# Altium PCB ASP-0.PcbDoc (part 1 of 4)
Units mm, origin at the board's own origin, x right, y up, seen from the top; angles counter-clockwise.
Board outline 200 x 170 mm, 2 copper layers (Top Layer, Bottom Layer); 290 components, 293 nets, 1338 pads, 464 vias.
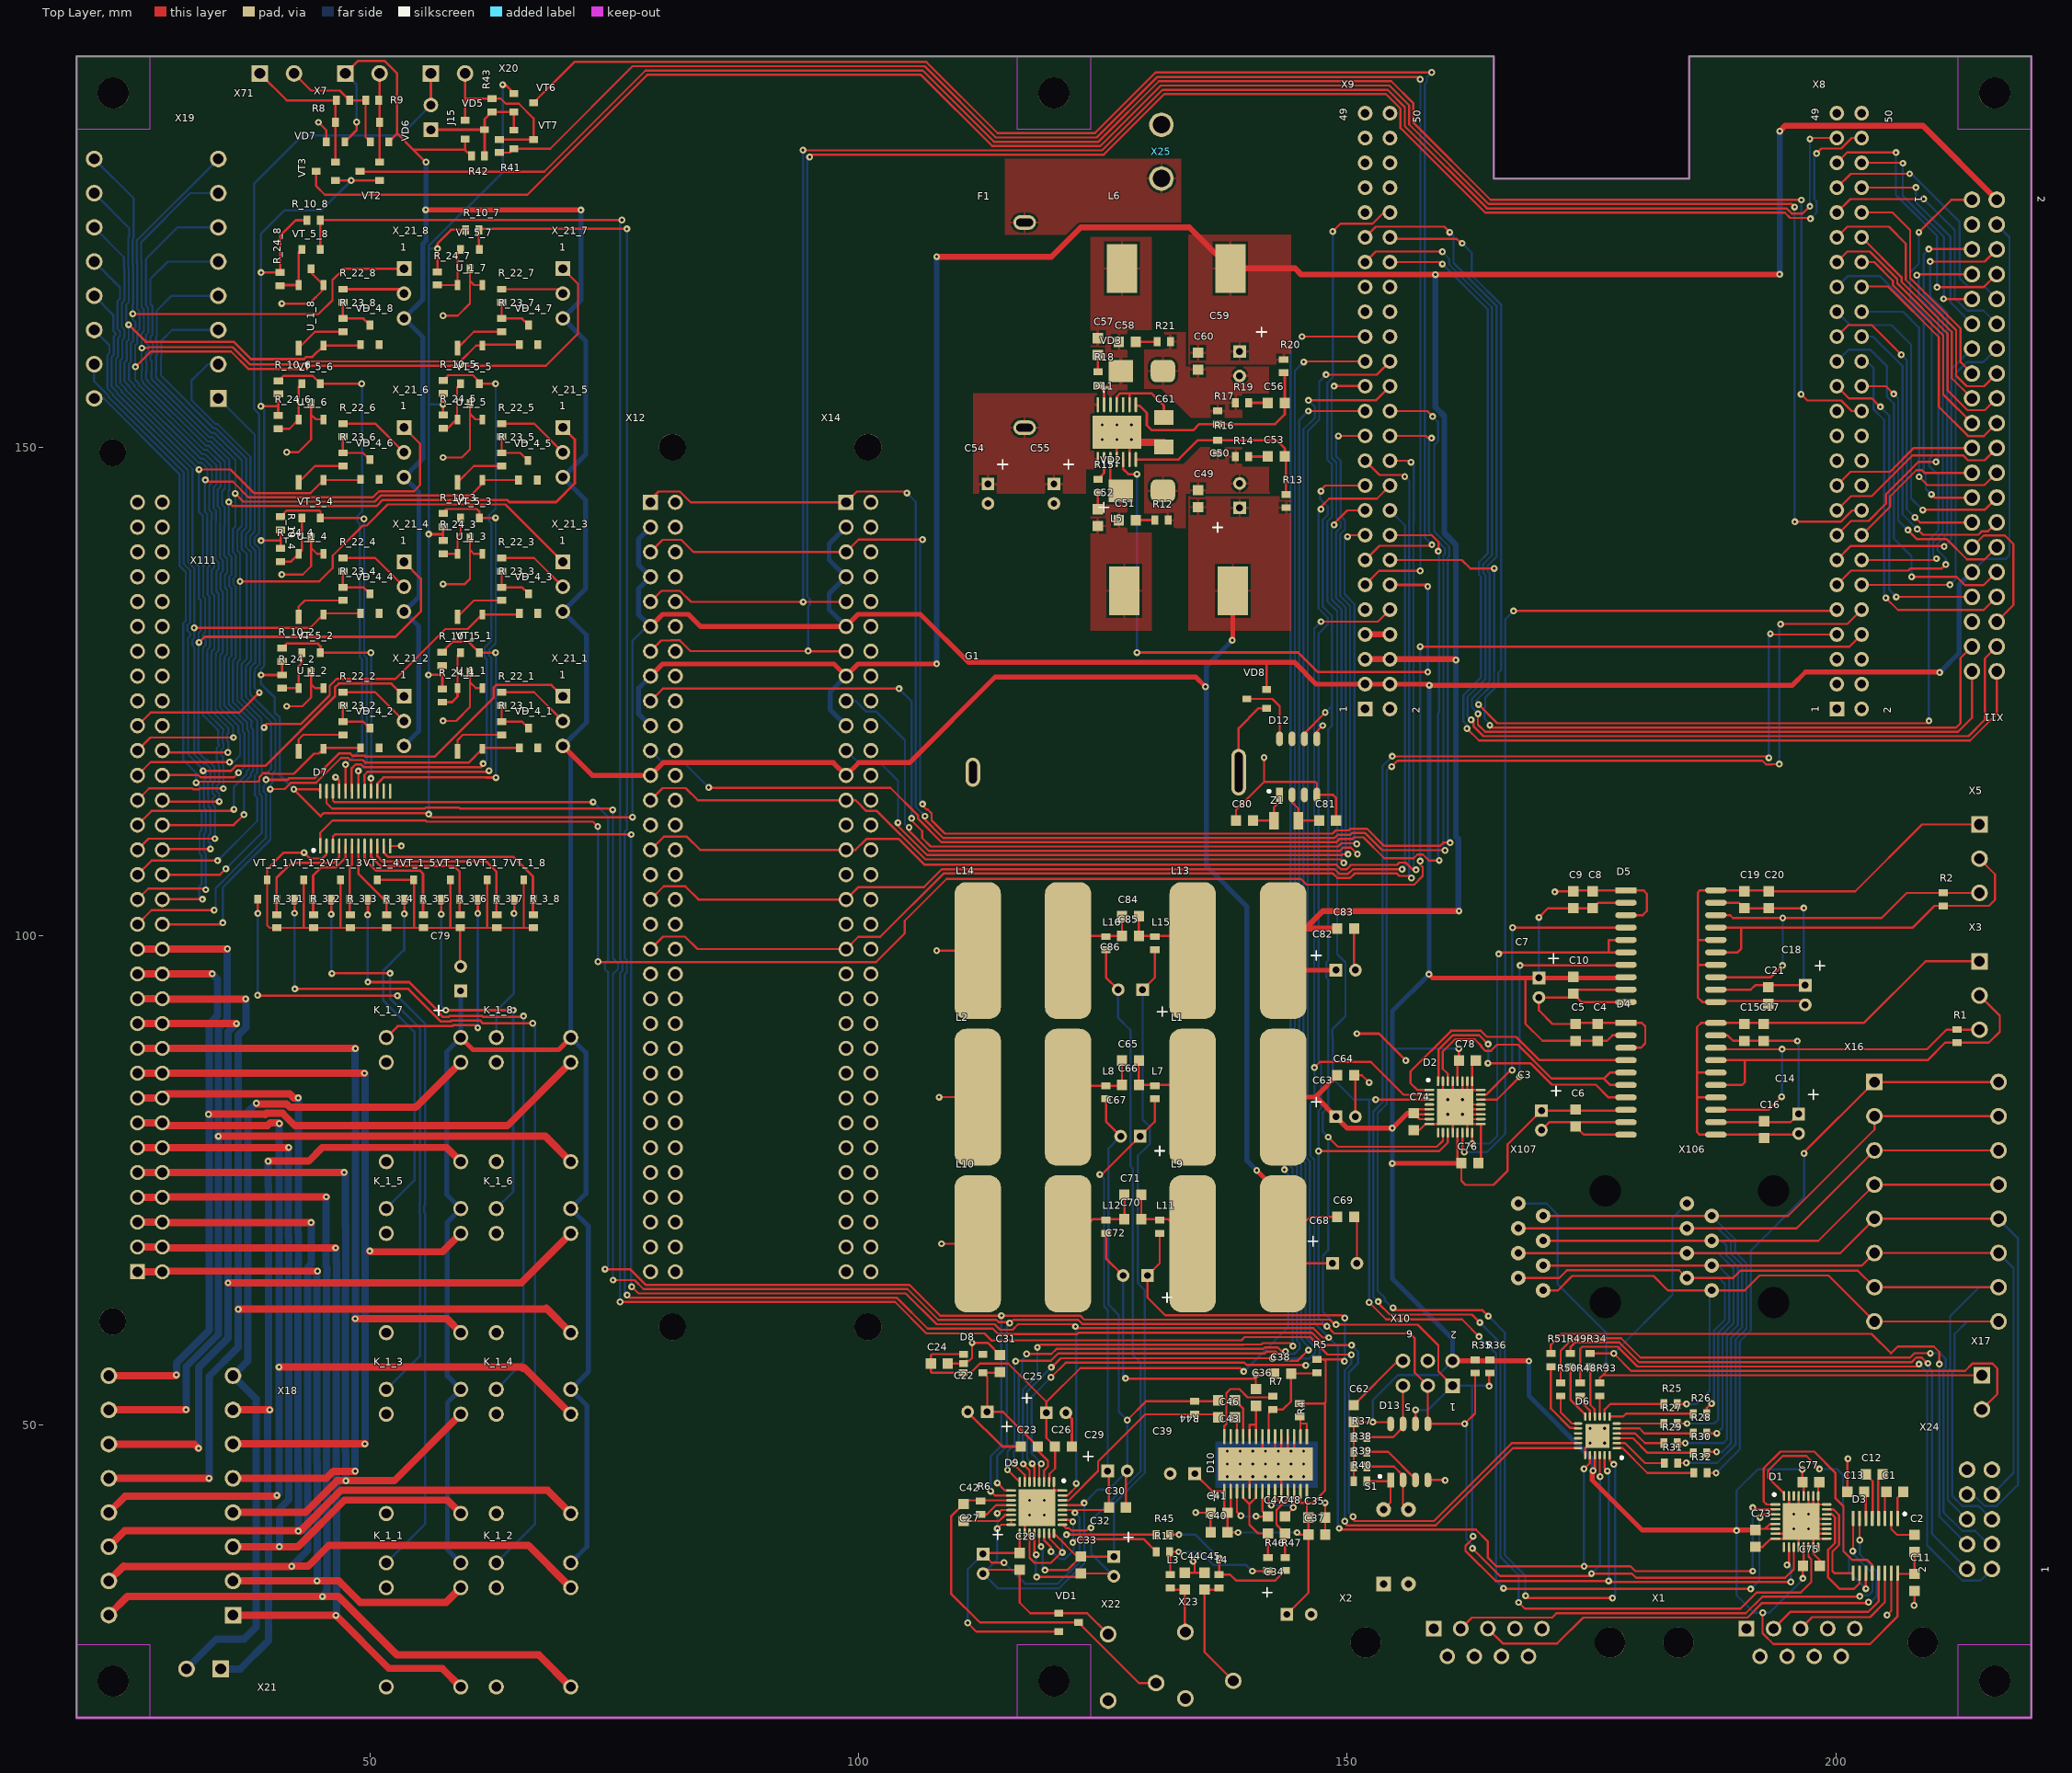
[diagram p0: Top Layer view]
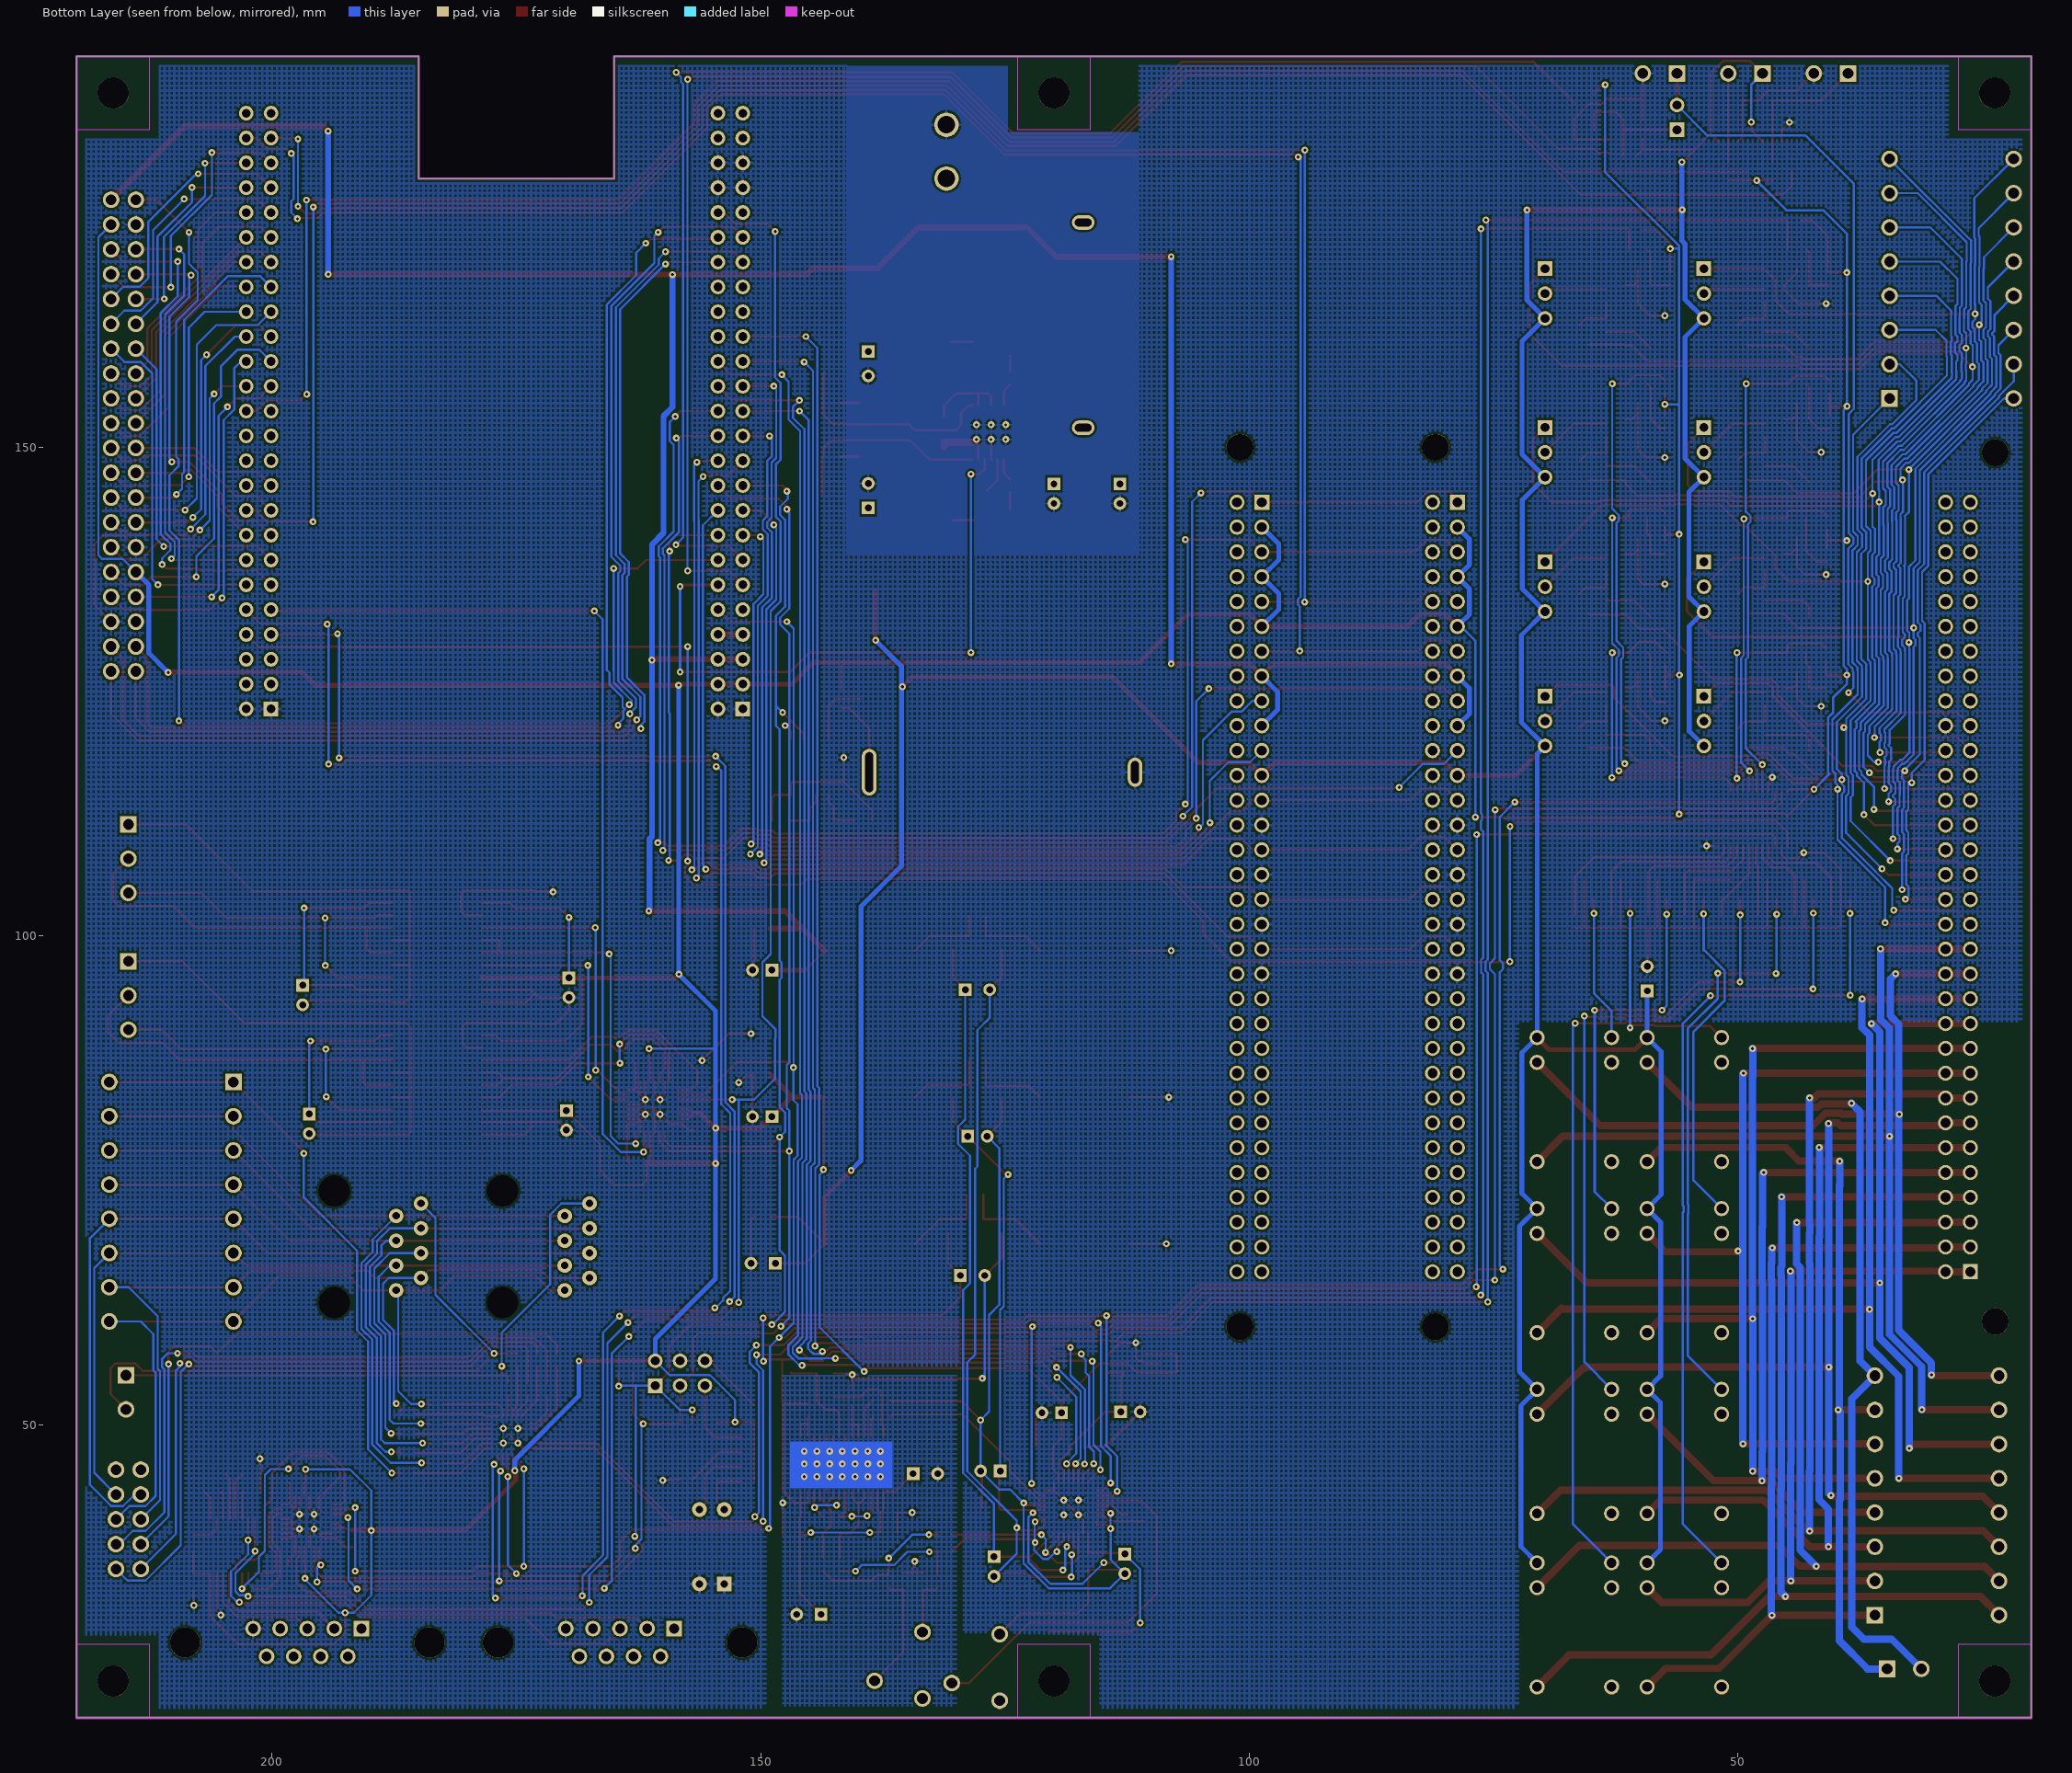
[diagram p1: Bottom Layer view, seen from below]

## Layer stack, top to bottom
Top Solder: solder mask 0.0102, Solder Resist, Dk 3.5
Top Layer: signal copper 0.0356
Dielectric 1: dielectric 0.32, FR-4, Dk 4.8
Bottom Layer: signal copper 0.0356
Bottom Solder: solder mask 0.0102, Solder Resist, Dk 3.5

## Board outline
20,20 20,190 165,190 165,177.5 185,177.5 185,190 220,190 220,20

## Design rules (kind name [scope] priority, off if disabled: settings)
Clearance [All] p1: gap=0.22
HoleSize [All] p1: absolutevalues=TRUE maxlimit=5 minlimit=0.3 maxpercent=80.000 minpercent=20.000
HoleToHoleClearance [All] p1: gap=0.25 allowstackedmicrovias=TRUE
MinimumSolderMaskSliver [All] p1: minsoldermaskwidth=0.2
PolygonConnect [All] p1: connectstyle=Relief reliefconductorwidth=0.254 reliefentries=4 polygonreliefangle="90 Angle" airgapwidth=0.254
RoutingVias [All] p1: holewidth=0.3 width=0.7 viastyle="Through Hole" minholewidth=0.3 minwidth=0.7 maxholewidth=1.6 maxwidth=2.4
SilkToSilkClearance [All] p1: silktosilkclearance=0.15
SilkToSolderMaskClearance [IsPad] p1: minsilkscreentomaskgap=0.15 clearancetoexposedcopper=TRUE
SolderMaskExpansion [All] p1: expansion=0.075
Width [All] p1: maxlimit=3 minlimit=0.22 preferedwidth=0.22
25 further rules are at their usual default settings.

## Classes and differential pairs
channel class Sensor: S1 S2 S3 S4 S5 S6 S7 S8
channel class Relay: RL1 RL2 RL3 RL4 RL5 RL6 RL7 RL8 RL9 RL10
component class "Serial buses": C1 C2 C3 C4 C5 C6 C7 C8 C9 C10 C11 C12 C13 C14 C15 C16 C17 C18 C19 C20 C21 C73 C74 C75 C76 C77 C78 D1 D2 D3 D4 D5 R1 R2 R8 R9 VD6 VD7 VT2 VT3 X1 X2 X3 X5 X7 X71
component class S8: R_10_8 R_22_8 R_23_8 R_24_8 U_1_8 VD_4_8 VT_5_8 X_21_8
component class S7: R_10_7 R_22_7 R_23_7 R_24_7 U_1_7 VD_4_7 VT_5_7 X_21_7
component class S6: R_10_6 R_22_6 R_23_6 R_24_6 U_1_6 VD_4_6 VT_5_6 X_21_6
component class S5: R_10_5 R_22_5 R_23_5 R_24_5 U_1_5 VD_4_5 VT_5_5 X_21_5
component class S4: R_10_4 R_22_4 R_23_4 R_24_4 U_1_4 VD_4_4 VT_5_4 X_21_4
component class S3: R_10_3 R_22_3 R_23_3 R_24_3 U_1_3 VD_4_3 VT_5_3 X_21_3
component class S2: R_10_2 R_22_2 R_23_2 R_24_2 U_1_2 VD_4_2 VT_5_2 X_21_2
component class S1: R_10_1 R_22_1 R_23_1 R_24_1 U_1_1 VD_4_1 VT_5_1 X_21_1
component class RTC: C80 C81 D12 G1 VD8 Z1
component class RL8: K_1_8 R_3_8 VT_1_8
component class RL7: K_1_7 R_3_7 VT_1_7
component class RL6: K_1_6 R_3_6 VT_1_6
component class RL5: K_1_5 R_3_5 VT_1_5
component class RL4: K_1_4 R_3_4 VT_1_4
component class RL3: K_1_3 R_3_3 VT_1_3
component class RL2: K_1_2 R_3_2 VT_1_2
component class RL1: K_1_1 R_3_1 VT_1_1
component class Power: C49 C50 C51 C52 C53 C54 C55 C56 C57 C58 C59 C60 C61 D11 F1 L5 L6 R12 R13 R14 R15 R16 R17 R18 R19 R20 R21 VD2 VD3 X25
component class IO: C79 D6 D7 J15 R25 R26 R27 R28 R29 R30 R31 R32 R33 R34 R41 R42 R43 R48 R49 R50 R51 VD5 VT6 VT7 X16 X17 X18 X19 X20 X21 X24 X106 X107 X111
component class decoupling: C63 C64 C65 C66 C67 C68 C69 C70 C71 C72 C82 C83 C84 C85 C86 L1 L2 L7 L8 L9 L10 L11 L12 L13 L14 L15 L16
component class BBB: C62 D13 R35 R36 R37 R38 R39 R40 S1 X8 X9 X10 X11 X12 X14
component class Audio: C22 C23 C24 C25 C26 C27 C28 C29 C30 C31 C32 C33 C34 C35 C36 C37 C38 C39 C40 C41 C42 C43 C44 C45 C46 C47 C48 D8 D9 D10 L3 L4 R4 R5 R6 R7 R11 R44 R45 R46 R47 VD1 X22 X23

## Components (designator, comment, footprint, x,y, rotation, side; value= is the part's Value field where it differs from the comment)
C1 "0.1μ" C0603 206.05,43.1 r180 top
C2 "0.1μ" C0603 208.05,37.85 r270 top
C3 "10μF" RAD-2-5-11 169.875,81.127 r180 top
C4 "0.01μ" C0603 175.625,90.127 r90 top
C5 "0.1μ" C0603 173.375,90.127 r90 top
C6 "0.1μ" C0603 173.375,81.377 r270 top
C7 "10μF" RAD-2-5-11 169.625,94.702 r180 top
C8 "0.01μ" C0603 175.125,103.702 r90 top
C9 "0.1μ" C0603 173.125,103.702 r90 top
C10 "0.1μ" C0603 173.125,94.952 r270 top
C11 "0.1μ" C0603 208.05,33.85 r90 top
C12 "0.1μ" C0603 203.925,44.9 r180 top
C13 "0.1μ" C0603 202.05,43.1 r0 top
C14 "10μF" RAD-2-5-11 196.2,80.775 r180 top
C15 "0.01μ" C0603 190.625,90.127 r270 top
C16 "0.1μ" C0603 192.65,80.175 r90 top
C17 "0.1μ" C0603 192.625,90.127 r270 top
C18 "10μF" RAD-2-5-11 196.875,93.952 r180 top
C19 "0.1μ" C0603 190.625,103.702 r270 top
C20 "0.1μ" C0603 193.125,103.701 r270 top
C21 "0.1μ" C0603 193.1,93.9 r90 top
C22 "22μF" RAD-2-5-11 112.175,51.3 r90 top
C23 "0.1μ" C0603 117.475,47.75 r0 top
C24 "1μF" C0603 108.275,56.25 r180 top
C25 "22μF" RAD-2-5-11 120.225,51.2 r270 top
C26 "0.1μ" C0603 120.975,47.75 r180 top
C27 "22μF" RAD-2-5-11 112.75,35.75 r180 top
C28 "0.1μ" C0603 116.5,36 r90 top
C29 "22μF" RAD-2-5-11 126.5,45.25 r270 top
C30 "0.1μ" C0603 126.5,41.5 r180 top
C31 "1μF" C0603 114.475,56.25 r270 top
C32 "22μF" RAD-2-5-11 126.125,35.475 r180 top
C33 "0.1μ" C0603 122.75,35.625 r90 top
C34 "100μF" RAD-2.5-6.3-11 145.075,30.575 r270 top
C35 "0.1μ" C0603 146.9,40.475 r180 top
C36 "1μF" C0603 140.675,52.775 r270 top
C37 "1000p" C0603 146.9,38.725 r180 top
C38 "1μF" C0603 143.4,55.225 r0 top
C39 "100μF" RAD-2.5-6.3-11 133.15,44.975 r90 top
C40 "0.1μ" C0603 136.9,38.975 r0 top
C41 "1000p" C0603 136.9,40.975 r0 top
C42 "1μF" C0603 110.75,41 r270 top
C43 "1μF" C0603 137.65,50.725 r180 top
C44 "1000p" C0603 133.4,33.975 r90 top
C45 "1000p" C0603 135.4,33.975 r90 top
C46 "1μF" C0603 137.65,52.475 r180 top
C47 "1μF" C0603 141.9,39.725 r90 top
C48 "1μF" C0603 143.65,39.725 r90 top
C49 "0.047μF" C0603 134.75,144.75 r270 top
C50 "100μF" RAD-2.5-6.3-11 139,145.05 r0 top
C51 "470pF" C0603 127.5,142.55 r180 top
C52 "0.047μF" C0603 124.5,142.8 r90 top
C53 "0.047μF" C0603 142.75,149.05 r0 top
C54 "10μF" RAD-2-5-11 113.25,145.25 r180 top
C55 "10μF" RAD-2-5-11 120,145.25 r180 top
C56 "0.047μF" C0603 142.75,154.55 r0 top
C57 "0.047μF" C0603 124.5,160.3 r90 top
C58 "470pF" C0603 127.5,160.8 r180 top
C59 "100μF" RAD-2.5-6.3-11 139,158.55 r180 top
C60 "0.047μF" C0603 134.75,158.8 r90 top
C61 "4.7μF" C1206 131.25,151.55 r270 top
C62 "0.1μ" C0603 150.675,51.125 r90 top
C63 "10μF" RAD-2-5-11 149.85,81.5 r270 top
C64 "0.1μ" C0603 149.85,85.75 r180 top
C65 "0.1μ" C0603 127.825,87.25 r0 top
C66 "0.01μ" C0603 127.825,84.75 r0 top
C67 "10μF" RAD-2-5-11 127.825,79.5 r90 top
C68 "100μF" RAD-2.5-6.3-11 149.75,66.5 r270 top
C69 "0.1μ" C0603 149.85,71.25 r180 top
C70 "0.1μ" C0603 128.075,71 r0 top
C71 "0.01μ" C0603 128.075,73.5 r0 top
C72 "100μF" RAD-2.5-6.3-11 128.325,65.25 r90 top
C73 "0.1μ" C0603 191.775,38.35 r90 top
C74 "0.1μ" C0603 156.8,81 r90 top
C75 "0.1μ" C0603 197.5,35.525 r180 top
C76 "0.1μ" C0603 162.55,76.75 r180 top
C77 "0.1μ" C0603 197.45,44.125 r180 top
C78 "0.1μ" C0603 162.3,87.25 r180 top
C79 "100μF" RAD-2.5-6.3-11 59.3,95.625 r0 top
C80 "20p" C0603 139.5,111.8 r180 top
C81 "20p" C0603 148,111.8 r0 top
C82 "10μF" RAD-2-5-11 149.85,96.5 r270 top
C83 "0.1μ" C0603 149.85,100.75 r180 top
C84 "0.1μ" C0603 127.825,102 r0 top
C85 "0.01μ" C0603 127.825,100 r0 top
C86 "100μF" RAD-2.5-6.3-11 127.825,94.5 r90 top
D1 "SC16IS752IBS" HVQFN32 196.45,40.075 r0 top
D2 "SC16IS752IBS" HVQFN32 161.05,82.5 r0 top
D3 "TRS3232ECPW" TSSOP16 204.05,37.6 r270 top
D4 "ADM2587E" "SO20 300mil" 183.125,85.377 r0 top
D5 "ADM2587E" "SO20 300mil" 183.125,98.952 r0 top
D6 "TCA8418RTWR" WQFN24 175.6,48.85 r180 top
D7 "TCA9539PWR" TSSOP24 48.5,112 r90 top
D8 "MIC5365" sot25 111.75,56.25 r90 top
D9 "TLV320AIC3100IRHBR" HVQFN32 118.25,41.5 r270 top
D10 "TPA3111D1PWPR" HTSSOP28 141.65,45.975 r270 top
D11 "TPS54383PWPR" HTSSOP14 126.431,151.55 r90 top
D12 "NXP RTC" "soic8 4mm" 145,117.3 r90 top
D13 "CAT24C256" "SOIC8 4mm" 156.35,47.2 r90 top
F1 "Fuse 1" "Fuse hld fh-101" 117,162.5 r270 top
G1 "Battery" "BatHld MPD BC2032-E2" 125.3,116.75 r180 top
J15 "Jumper" HDR2X1 56.25,183.75 r180 top
K_1_1 "Relay-SPST" TRB 55.5,29.5 r180 top (schematic designator K1)
K_1_2 "Relay-SPST" TRB 66.75,29.5 r180 top (schematic designator K1)
K_1_3 "Relay-SPST" TRB 55.5,47.25 r180 top (schematic designator K1)
K_1_4 "Relay-SPST" TRB 66.75,47.25 r180 top (schematic designator K1)
K_1_5 "Relay-SPST" TRB 55.5,65.75 r180 top (schematic designator K1)
K_1_6 "Relay-SPST" TRB 66.75,65.75 r180 top (schematic designator K1)
K_1_7 "Relay-SPST" TRB 55.5,83.25 r180 top (schematic designator K1)
K_1_8 "Relay-SPST" TRB 66.75,83.25 r180 top (schematic designator K1)
L1 "SDR1307-331KL" SDR1307 138.825,83.5 r180 top
L2 "SDR1307-331KL" SDR1307 116.825,83.5 r0 top
L3 "BLM18KG221SN1" I0603 131.9,33.975 r270 top
L4 "BLM18KG221SN1" I0603 136.9,33.975 r270 top
L5 "47μH" SRP1265A 132.75,135.3 r180 top
L6 "47uH" SRP1265A 132.5,168.3 r0 top
L7 "BLM18KG221SN1" I0603 130.325,84 r270 top
L8 "BLM18KG221SN1" I0603 125.325,84 r270 top
L9 "SDR1307-331KL" SDR1307 138.825,68.5 r180 top
L10 "SDR1307-331KL" SDR1307 116.825,68.5 r0 top
L11 "BLM18KG221SN1" I0603 130.825,70.25 r270 top
L12 "BLM18KG221SN1" I0603 125.325,70.25 r270 top
L13 "SDR1307-331KL" SDR1307 138.825,98.5 r180 top
L14 "SDR1307-331KL" SDR1307 116.825,98.5 r0 top
L15 "BLM18KG221SN1" I0603 130.325,99.25 r270 top
L16 "BLM18KG221SN1" I0603 125.325,99.25 r270 top
R1 "120" R0603 212.4,89.75 r90 top
R2 "120" R0603 210.975,103.725 r90 top
R4 "100k" R0603 145.15,51.475 r270 top
R5 "10" R0603 146.9,55.975 r270 top
R6 "2.2K" R0603 112.5,41.5 r90 top
R7 "100K" R0603 142.4,52.225 r270 top
R8 "10K" R0603 47.25,185.5 r0 top
R9 "10K" R0603 50.25,185.5 r180 top
R11 "Res3" R0603 131.15,36.975 r180 top
R12 "10" R0603 131,142.55 r180 top
R13 "47K" R0603 143.75,144.5 r270 top
R14 "0" R0603 139.25,149.05 r0 top
R15 "0" R0603 124.5,146.05 r90 top
R16 "3.3K" R0603 136.75,150.05 r90 top
R17 "820" R0603 136.75,153.05 r270 top
R18 "0" R0603 124.5,157.05 r90 top
R19 "0" R0603 139.25,154.55 r0 top
R20 "4.3K" R0603 143.5,158.3 r270 top
R21 "10" R0603 131.25,160.8 r180 top
R25 "1K" R0603 183.1,52.1 r0 top
R26 "1K" R0603 186.1,51.1 r0 top
R27 "1K" R0603 183.1,50.1 r0 top
R28 "1K" R0603 186.1,49.1 r0 top
R29 "1K" R0603 183.1,48.1 r0 top
R30 "1K" R0603 186.1,47.1 r0 top
R31 "1K" R0603 183.15,46.05 r0 top
R32 "1K" R0603 186.15,45.05 r0 top
R33 "1K" R0603 175.85,53.6 r90 top
R34 "1K" R0603 174.85,56.6 r90 top
R35 "4.7K" R0603 163.1,55.95 r90 top
R36 "4.7K" R0603 164.6,55.95 r90 top
R37 "4.7K" R0603 151.35,48.7 r180 top
R38 "4.7K" R0603 151.35,47.2 r180 top
R39 "4.7K" R0603 151.35,45.7 r180 top
R40 "4.7K" R0603 151.35,44.2 r180 top
R41 "1K" R0603 63.25,180.825 r270 top
R42 "4.7K" R0603 61.075,179.8 r180 top
R43 "47K" R0603 62.5,185 r270 top
R44 "100k" R0603 134.4,51.725 r270 top
R45 "Res3" R0603 131.15,38.725 r0 top
R46 "Res3" R0603 141.9,35.725 r270 top
R47 "Res3" R0603 143.65,35.725 r270 top
R48 "1K" R0603 173.85,53.6 r90 top
R49 "1K" R0603 172.85,56.6 r90 top
R50 "1K" R0603 171.85,53.6 r90 top
R51 "1K" R0603 170.85,56.6 r90 top
R_3_1 "10K" R0603 40.5,101.5 r90 top (schematic designator R3)
R_3_2 "10K" R0603 44.25,101.5 r90 top (schematic designator R3)
R_3_3 "10K" R0603 48,101.5 r90 top (schematic designator R3)
R_3_4 "10K" R0603 51.75,101.5 r90 top (schematic designator R3)
R_3_5 "10K" R0603 55.5,101.5 r90 top (schematic designator R3)
R_3_6 "10K" R0603 59.25,101.5 r90 top (schematic designator R3)
R_3_7 "10K" R0603 63,101.5 r90 top (schematic designator R3)
R_3_8 "10K" R0603 66.75,101.5 r90 top (schematic designator R3)
R_10_1 "4.7K" R0603 57.4,128.35 r270 top (schematic designator R10)
R_10_2 "4.7K" R0603 41.025,128.775 r270 top (schematic designator R10)
R_10_3 "4.7K" R0603 57.5,142.55 r270 top (schematic designator R10)
R_10_4 "4.7K" R0603 40.875,142.225 r270 top (schematic designator R10)
R_10_5 "4.7K" R0603 57.5,156.175 r270 top (schematic designator R10)
R_10_6 "4.7K" R0603 40.65,156.125 r270 top (schematic designator R10)
R_10_7 "4.7K" R0603 60.475,172.25 r180 top (schematic designator R10)
R_10_8 "4.7K" R0603 44.25,173.225 r180 top (schematic designator R10)
R_22_1 "550" R0603 63.5,124.25 r90 top (schematic designator R22)